# Allegro board 08_038702e.brd (continued)
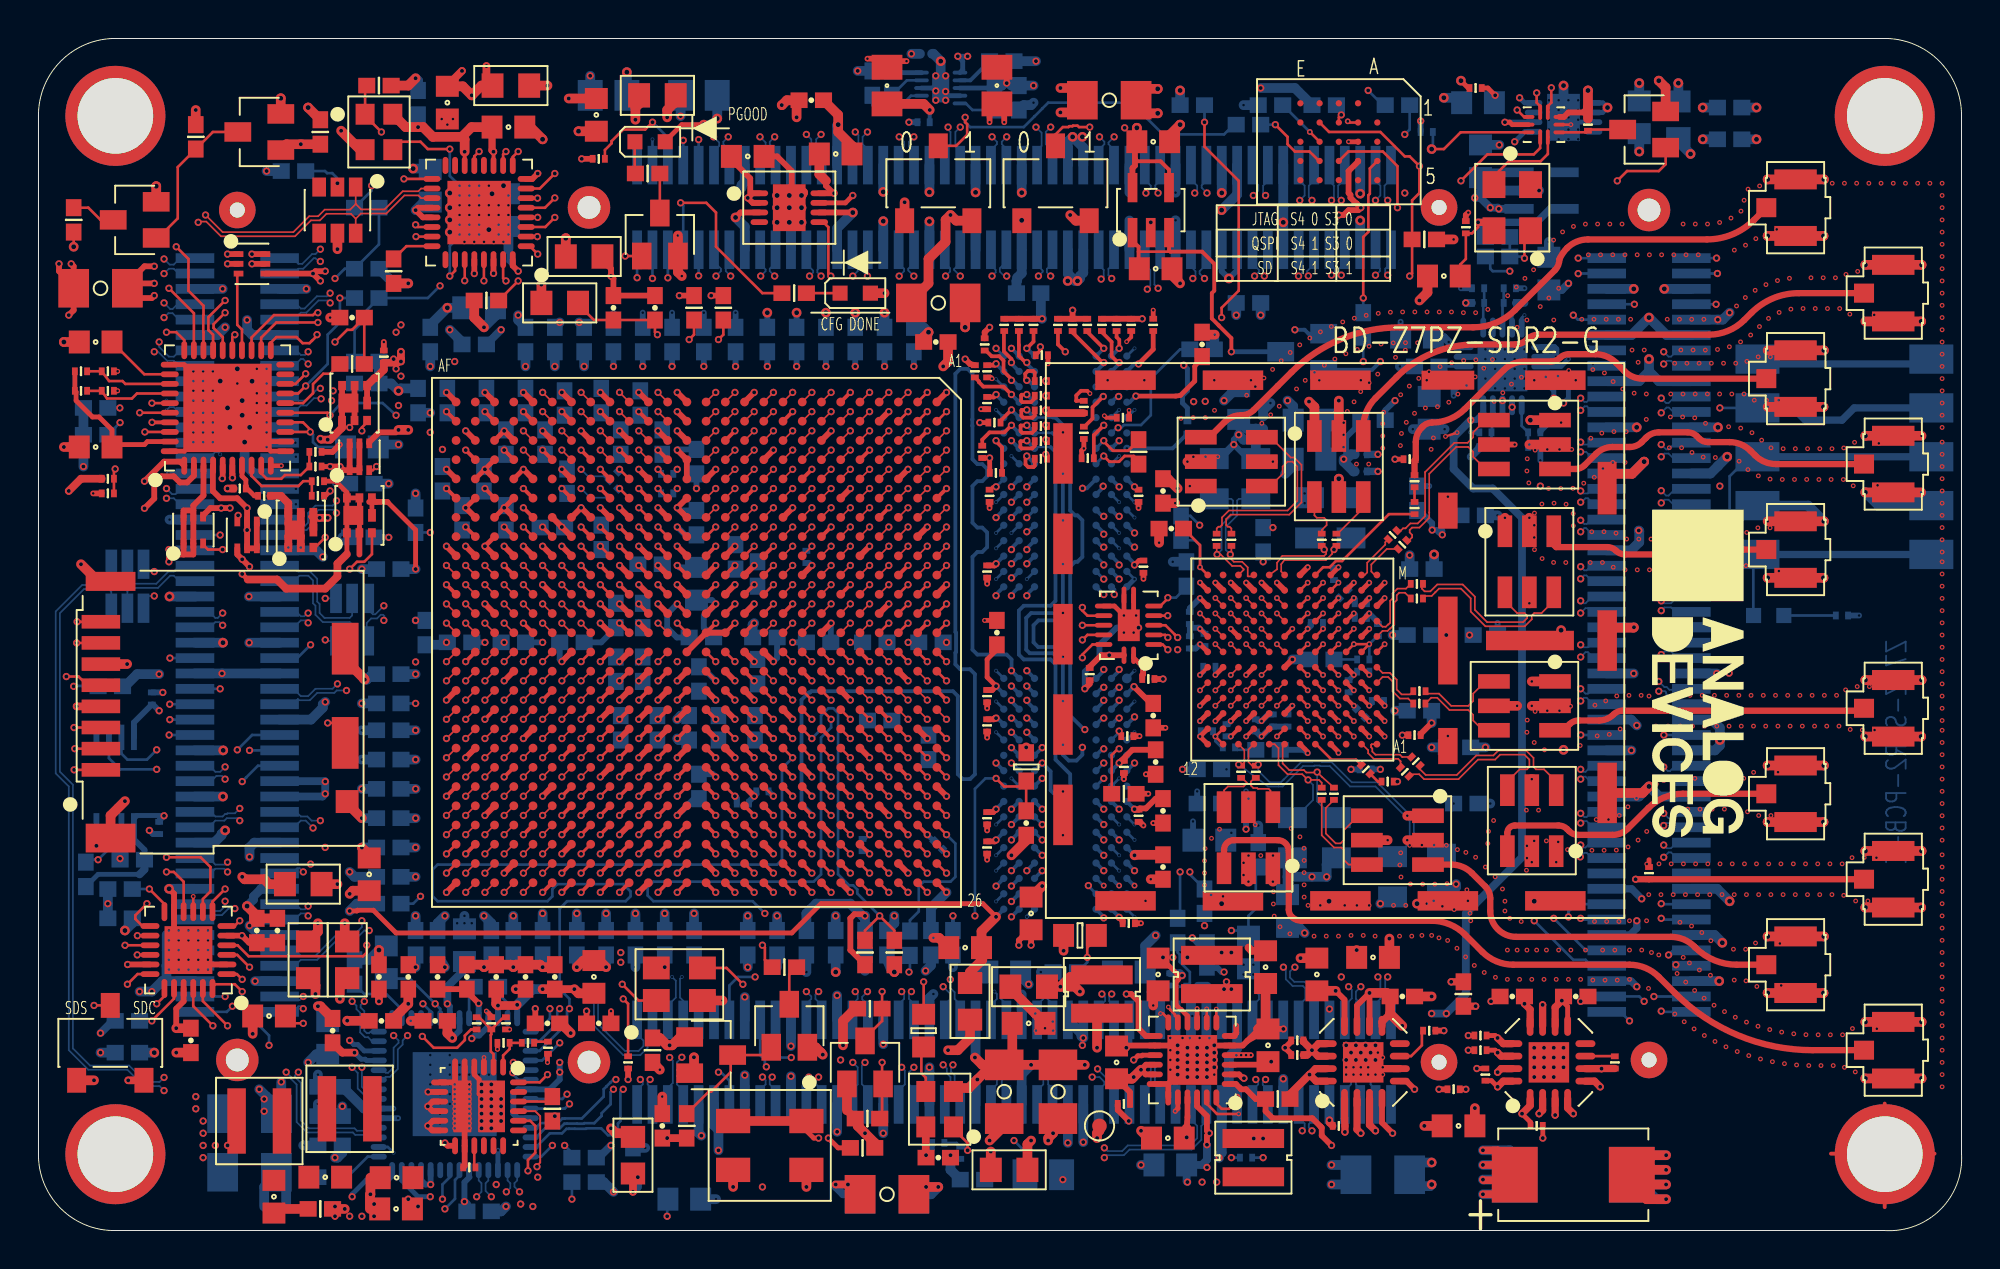
[diagram p0: board, top side]
## Routing (per net, layer and track width the routed paths; a pad name or vN(x,y) marks a point on that pad's centre or on a via; arc(x,y) is an arc through that point) (continued)
PS_MIO41_501_SD0_CMD: length 53.3
  TOP w0.14: v1(17.07,14.84) 17.07,14.46 16.87,14.26 10.93,14.26 10.36,14.84 U11.4 ; U1.C19 v1(45.22,24.59)
  L17_SIG w0.095: v1(17.07,14.84) 17.07,14.46 17.35,14.18 17.6,14.18 17.71,14.08 18.34,14.08 19.23,14.97 19.23,15.98 19.27,16.02 19.27,17.29 21.22,19.25 21.36,19.25 24.56,22.45 24.56,29.44 25.33,30.21 31.49,30.21 31.65,30.04 31.65,28.58 32.3,27.93 32.36,27.93 32.55,27.73 32.55,27.68 32.85,27.38 32.85,27.29 33.11,27.03 40.29,27.03 43.34,23.98 44.63,23.98 45.22,24.57 v1(45.22,24.59)
PS_MIO42_501_SD0_DATA0: length 48.7
  TOP w0.14: U11.6 10.19,15.84 v1(10.47,16.11) ; U1.F17 v1(42.22,26.59)
  L17_SIG w0.095: v1(42.22,26.59) 42.22,26.78 41.56,27.44 41.56,27.73 41.36,27.93 41.07,27.93 40.56,28.45 40.56,28.73 40.36,28.93 34.48,28.93 34.17,29.23 34.17,29.71 33.97,29.91 33.49,29.91 32.16,31.25 32.07,31.25 31.88,31.45 31.88,31.53 31.42,31.99 24.06,31.99 23.56,31.49 23.56,31.45 23.36,31.25 23.32,31.25 22.88,30.81 22.88,23.45 22.36,22.93 22.07,22.93 21.88,22.73 21.88,22.45 21.36,21.93 21.07,21.93 19.27,20.12 19.27,19.83 16.44,17 15.8,17 15.29,16.49 15.29,15.73 15.04,15.48 12.5,15.48 11.61,16.36 10.72,16.36 v1(10.47,16.11)
PS_MIO43_501_SD0_DATA1: length 51.2
  TOP w0.14: U1.D18 v1(44.22,25.59) ; U11.7 9.05,17.11 v1(9.7,17.76)
  L17_SIG w0.095: v1(9.7,17.76) 14.4,17.76 15.8,19.16 17.83,19.16 20.5,21.83 20.5,29.57 21.18,30.25 21.36,30.25 23.56,32.45 23.56,32.63 24.06,33.13 31.09,33.13 31.29,32.93 31.36,32.93 32.55,31.73 32.55,31.67 35.07,29.15 40.45,29.15 40.78,28.82 40.78,28.54 41.17,28.15 41.45,28.15 41.78,27.82 41.78,27.53 42.56,26.75 42.56,26.69 43,26.25 43.56,26.25 v1(44.22,25.59)
PS_MIO44_501_SD0_DATA2: length 50
  TOP w0.14: v1(10.59,13.06) 10.32,13.34 U11.1 ; U1.E18 v1(43.22,25.59)
  L17_SIG w0.095: v1(10.59,13.06) 10.89,13.36 12.29,13.36 13.77,14.84 15.93,14.84 16.31,15.22 17.58,15.22 18.98,16.62 18.98,17.89 19.27,18.18 19.27,18.54 19.47,18.74 19.82,18.74 20.12,19.03 20.37,19.03 20.88,19.53 20.88,19.73 23.07,21.93 23.27,21.93 23.88,22.53 23.88,29.73 25.12,30.97 31.04,30.97 31.88,30.13 31.88,29.45 32.55,28.77 32.55,28.57 33.19,27.93 40.36,27.93 40.56,27.73 40.56,27.45 41.07,26.93 41.36,26.93 41.56,26.73 41.56,26.45 42.07,25.93 42.36,25.93 42.7,25.59 v1(43.22,25.59)
PS_MIO45_501_SD0_DATA3: length 52.2
  TOP w0.14: U11.3 10.34,14.34 v1(10.97,13.7) ; U1.C18 v1(45.22,25.59)
  L17_SIG w0.095: v1(10.97,13.7) 12.31,13.7 13.68,15.06 15.67,15.06 16.44,15.82 16.44,16.36 18.47,18.4 18.59,18.4 20.12,19.92 20.5,19.92 20.88,20.3 20.88,20.73 21.07,20.93 21.36,20.93 21.88,21.45 21.88,21.73 22.07,21.93 22.36,21.93 22.88,22.45 22.88,22.73 23.07,22.93 23.36,22.93 23.56,23.13 23.56,29.73 23.55,29.74 23.55,30.33 23.88,30.66 23.88,30.73 24.34,31.19 31.29,31.19 32.88,29.61 32.88,29.45 34.17,28.15 40.45,28.15 40.78,27.82 40.78,27.54 41.17,27.15 41.46,27.15 41.88,26.74 41.88,26.45 42.07,26.25 42.37,26.25 42.6,26.02 43.36,26.02 43.61,25.76 43.61,25.51 44.12,25 44.63,25 45.22,25.59 v1(45.22,25.59)
PS_MIO46_501_JX4: length 50.9
  TOP w0.14: U1.E17 v1(43.22,26.59)
  L17_SIG w0.095: v1(43.22,26.59) 43.22,26.63 43.61,27.03 47.68,27.03 50,24.71 57.84,24.71 58.38,25.25 71.68,25.25 74.09,22.84 74.09,18.02 74.47,17.63 75.11,17.63 75.49,18.02 75.49,19.03 75.87,19.41 76.76,19.41 77.14,19.03 77.14,17 77.52,16.62 78.41,16.62 v1(78.79,16.24)
  BOTTOM w0.14: v1(78.79,16.24) 80.46,14.57 JX4.92
PS_MIO47_501_JX4: length 49.1
  TOP w0.14: U1.B19 v1(46.22,24.59)
  L17_SIG w0.095: v1(46.22,24.59) 46.69,24.11 49.2,24.11 49.46,23.86 58.47,23.86 59.11,24.49 59.87,24.49 60.12,24.24 60.89,24.24 61.39,24.75 65.58,24.75 65.84,24.49 71.93,24.49 73.71,22.71 73.71,19.29 73.2,18.78 73.2,17.13 73.59,16.75 75.49,16.75 75.87,17.13 75.87,18.52 76.13,18.78 76.5,18.78 76.76,18.52 76.76,16.49 77.14,16.11 v1(77.78,16.11)
  BOTTOM w0.14: JX4.94 80.75,13.77 80.44,14.08 79.81,14.08 v1(77.78,16.11)
PS_MIO48_501_JX4: length 47.2
  TOP w0.14: U1.B21 v1(46.22,22.59)
  L6_SIG w0.095: v1(84.38,11.41) 82.98,11.41 81.46,12.94 81.46,16.24 80.32,17.38 79.05,17.38 78.54,17.89 75.87,17.89 73.84,19.92 58.09,19.92 57.33,20.68 55.04,20.68 54.28,21.44 52.34,21.44 52.33,21.45 50.45,21.45 50.44,21.44 49.2,21.44 48.31,22.33 48.06,22.33 47.8,22.08 46.72,22.08 v1(46.22,22.59)
  BOTTOM w0.14: JX4.99 84.42,11.37 v1(84.38,11.41)
PS_MIO49_501_JX4: length 51.3
  TOP w0.14: U1.A18 v1(47.22,25.59)
  L6_SIG w0.095: v1(47.22,25.59) 46.66,25.03 46.66,23.6 47.17,23.1 47.8,23.1 48.19,22.71 48.57,22.71 49.03,22.25 52.33,22.25 52.76,21.83 54.66,21.83 54.92,21.57 57.58,21.57 58.85,20.3 60.25,20.3 60.5,20.56 61.14,20.56 61.39,20.3 68,20.3 68.51,20.81 69.78,20.81 70.28,20.3 74.6,20.3 76.76,18.14 78.98,18.14 79.13,18.29 79.47,18.29 79.62,18.14 82.71,18.14 82.71,18.13 82.91,17.93 83.19,17.93 83.28,18.03 83.48,18.03 83.75,17.76 83.75,13.06 83.49,12.81 v1(83.49,11.92)
  BOTTOM w0.14: v1(83.49,11.92) 83.24,12.17 81.55,12.17 JX4.98
PS_MIO50_501_SD0_CD: length 72.7
  TOP w0.14: U1.B22 v1(46.22,21.59) ; U5.8 78.08,58.47 77.9,58.66 v1(77.9,59.16)
  L15_SIG w0.095: v1(77.9,59.16) 78.67,58.4 78.67,56.12 76.76,54.21 75.87,54.21 73.97,52.31 73.97,51.42 72.57,50.02 72.57,39.73 70.66,37.83 70.66,34.91 73.84,31.73 73.84,25.64 70.41,22.21 v3(70.41,21.19)
  L17_SIG w0.095: v1(46.22,21.59) 46.22,21.63 46.79,22.21 49.07,22.21 49.33,22.46 58.98,22.46 61.39,20.05 65.2,20.05 65.84,20.68 69.9,20.68 v3(70.41,21.19)
PS_MIO51_501_JX4: length 49.1
  TOP w0.14: U1.B20 v1(46.22,23.59)
  L6_SIG w0.095: v1(82.73,10.9) 82.35,10.52 77.9,10.52 74.09,14.33 74.09,15.35 70.92,18.52 70.54,18.52 70.28,18.78 60.76,18.78 60.12,18.14 59.23,18.14 57.46,19.92 48.44,19.92 48.11,20.25 47.07,20.25 46.88,20.45 46.88,20.47 46.28,21.06 45.14,21.06 44.76,21.44 44.76,22.84 45.01,23.1 45.77,23.1 46.22,23.54 v1(46.22,23.59)
  BOTTOM w0.14: JX4.100 82.26,11.37 v1(82.73,10.9)
PS_MIO52_501_ETH0_MDC: length 52.2
  TOP w0.14: U1.A20 v1(47.22,23.59)
  L17_SIG w0.095: v1(25.96,2.78) 26.34,2.78 26.47,2.65 28.25,2.65 29.01,3.41 33.45,3.41 35.1,5.06 40.18,5.06 40.69,5.57 46.03,5.57 v3(46.79,6.33)
  L18_SIG w0.095: v1(21.13,1.12) 22.79,2.78 25.3,2.78 25.31,2.77 25.59,2.77 25.6,2.78 v1(25.96,2.78) ; v1(47.22,23.59) 47.82,23.59 49.45,21.95 49.45,21.77 50.57,20.65 50.73,20.65 50.98,20.41 50.98,15.73 50.47,15.22 50.47,13.95 50.73,13.7 50.73,11.03 49.33,9.63 49.33,8.87 v3(46.79,6.33)
  BOTTOM w0.14: U10.7 21.89,2.86 21.66,2.63 21.66,1.65 v1(21.13,1.12)
PS_MIO53_501_ETH0_MDIO: length 51.7
  TOP w0.14: U1.A19 v1(47.22,24.59)
  L17_SIG w0.095: v3(45.65,6.33) 45.14,5.82 40.44,5.82 40.18,5.57 32.95,5.57 31.8,4.43 31.17,4.43 30.53,3.79 28.63,3.79 27.99,4.43 v1(27.36,4.43)
  L18_SIG w0.095: v1(47.22,24.59) 46.79,24.16 46.79,23.35 47.04,23.1 47.3,23.1 49.2,21.19 49.2,17.76 49.33,17.63 49.33,13.95 48.95,13.57 48.95,11.54 48.06,10.65 48.06,8.36 47.3,7.6 46.92,7.6 v3(45.65,6.33) ; v1(21.01,1.63) 23.42,4.05 26.98,4.05 v1(27.36,4.43)
  BOTTOM w0.14: v1(27.36,4.43) 27.74,4.05 R11.2 ; v1(21.01,1.63) 21.01,2.39 21.39,2.78 U10.8
PWR_ENABLE: length 135.2
  TOP w0.14: v2(58.35,11.28) 58.47,11.28 58.75,11.01 U4.12 ; R56.2 29.45,56.19 29.8,56.54 29.8,56.66 30.41,57.26 31.55,57.26 v1(31.93,57.64) ; U18.20 25.57,5.71 25.83,5.44 25.83,4.05 25.45,3.66 v1(25.45,3.11)
  L2_GND w0.203: v2(58.35,11.28) v3(57.96,11.28)
  L3_SIG w0.095: v1(59.23,30.21) 59.23,29.19 59.36,29.06 59.36,25.25 59,24.89 59,23.46 60.12,22.33 60.12,19.29 60.38,19.03 60.38,18.4 59.28,17.29 59.28,15.18 60.12,14.33 60.12,13.28 59.74,12.9 59.74,12.05 59.38,11.69 59.38,11.69 59.11,11.41 58.6,11.41 58.41,11.6 58.28,11.6 v3(57.96,11.28)
  L7_SIG w0.095: v3(57.96,11.28) 57.08,11.28 56.06,10.27 56.06,3.03 53.9,0.87 35.36,0.87 34.09,2.14 34.09,4.43 33.07,5.44 31.29,5.44 30.66,4.81 29.64,4.81 27.27,2.44 25.79,2.44 25.45,2.78 v1(25.45,3.11)
  L17_SIG w0.095: v3(49.07,30.84) 53.93,30.84 54.14,31.06 54.42,31.06 54.63,30.84 57.46,30.84 58.43,29.87 58.87,29.87 59.21,30.21 v1(59.23,30.21)
  L18_SIG w0.095: v1(31.93,57.64) 31.93,58.53 32.69,59.29 39.04,59.29 41.33,57 41.33,55.1 40.69,54.46 40.69,53.7 41.84,52.56 41.84,47.35 41.33,46.84 41.33,44.3 41.71,43.92 41.71,35.41 42.09,35.03 43.36,35.03 43.61,34.78 43.61,31.48 43.99,31.1 48.82,31.1 v3(49.07,30.84)
  BOTTOM w0.14: JX1.5 32.73,56.84 v1(31.93,57.64)
PWR_GD: length 172
  TOP w0.203: U7.37 v1(5.91,42.03)
  TOP w0.254: v1(42.34,53.83) 41.96,53.44 U9.7
  TOP w0.305: R306.1 v1(72.82,7.35) ; U19.5 71.13,7.77 v1(71.55,7.35)
  TOP w0.381: U20.5 80.91,7.77 v1(81.21,7.47)
  L9_POWER w0.508: v1(81.21,7.47) 80.82,7.09 76.89,7.09 75.02,5.23 74.31,5.23 72.82,6.71 v1(72.82,7.35) v1(71.55,7.35)
  L17_SIG w0.508: 42.34,54.72 41.58,55.48 37.26,55.48 36.5,56.24 36.5,57.89 35.36,59.04 29.26,59.04 28.37,58.15 26.34,58.15 25.78,57.58 22.59,57.58 21.64,58.53 15.29,58.53 14.4,57.64 11.61,57.64 5.39,51.42 5.39,45.19 6.53,44.05 6.53,42.65 v1(5.91,42.03) ; 42.34,54.72 v1(42.34,53.83) ; 42.34,54.72 43.11,55.48 70.66,55.48 71.43,54.72 73.08,54.72 73.59,55.23 77.9,55.23 78.03,55.35 84.25,55.35 88.57,51.04 88.57,45.07 89.84,43.8 89.84,35.67 88.57,34.4 88.57,9.25 86.16,6.84 81.84,6.84 v1(81.21,7.47)
PWR_GD_1.35V: length 86.5
  TOP w0.102: U18.21 25.83,6.21 26.09,5.95 26.09,3.54 25.92,3.37 v1(25.92,3.32)
  TOP w0.203: U1.C23 v1(45.22,20.59)
  TOP w0.254: v1(41.07,4.81) 41.58,4.3 R3.2 ; SW1.1A 39.93,5.19 40.31,4.81 v1(40.57,4.81)
  TOP w0.305: v2(62.28,10.65) 62.28,10.27 62.14,10.12 U4.6 ; U4.2 62.42,8.12 62.59,7.96 62.65,7.96 v1(62.68,7.92)
  TOP w0.508: SW1.1B SW1.1A
  L2_GND w0.305: v2(62.28,10.65) v3(62.79,10.65)
  L3_SIG w0.254: v1(40.57,4.81) v1(41.07,4.81) 41.07,4.17 41.25,3.99 43.81,3.99 44.92,5.1 49.67,5.1 50.63,4.14 53.68,4.14 54.66,3.16 55.93,3.16 59.36,6.59 60.5,6.59 61.84,7.92 v1(62.68,7.92) 62.68,10.54 v3(62.79,10.65) 62.54,10.9 62.54,12.81 61.9,13.44 v1(61.65,13.44)
  L11_POWER w0.254: v1(45.22,20.59) 45.69,21.06 47.93,21.06 49.46,22.59 52.63,22.59 53.39,21.83 53.39,16.87 55.55,14.71 60.38,14.71 v1(61.65,13.44)
  L14_SIG w0.254: v1(41.07,4.81) v1(40.57,4.81) 35.23,4.81 34.34,3.92 31.42,3.92 30.41,2.9 26.72,2.9 26.3,3.32 v1(25.92,3.32)
  BOTTOM w0.305: v1(61.65,13.44) 61.52,13.44 61.31,13.65 61.06,13.65 61.01,13.7 R29.2
REF_IN_OUT: length 5.3
  TOP w0.14: U7.14 13.76,42.03 14.13,41.66 v1(14.13,41.53) U7.13
  BOTTOM w0.14: v1(14.13,41.53) 14.28,41.38 14.28,41 14.53,40.75 C202.1
RX1A_N: length 2.5
  TOP w0.089: U17.M2 68.96,34.09 69.09,34.22 69.09,34.73 70.03,35.67 70.03,35.8 C8.2
RX1A_P: length 2.5
  TOP w0.089: C9.2 70.11,35.44 69.31,34.64 69.31,34.27 69.48,34.09 U17.M1
RX1B_N: length 3.6
  TOP w0.089: C51.2 71.11,33.38 70.66,33.38 70.41,33.13 70.41,32.87 70.28,32.75 70.28,31.6 70.2,31.52 70.18,31.52 70.06,31.4 69.89,31.4 U17.J1
RX1B_P: length 3.6
  TOP w0.089: U17.H1 69.89,31.19 70.15,31.19 70.27,31.31 70.29,31.31 70.5,31.51 70.5,32.66 70.63,32.78 70.63,33.04 70.75,33.17 71.06,33.17 C52.2
RX2A_N: length 2.9
  TOP w0.089: C10.2 70.93,24.63 70.92,24.62 70.79,24.75 69.52,24.75 69.36,24.91 69.36,25.07 69.29,25.13 69.29,25.26 69.33,25.29 U17.A1
RX2A_P: length 2.8
  TOP w0.089: U17.A2 68.83,25.29 69.14,24.98 69.14,24.82 69.43,24.53 70.7,24.53 70.83,24.4 70.82,24.4 C11.2
RX2B_N: length 2.8
  TOP w0.089: C53.2 71.32,27.88 70.88,27.88 70.63,28.14 70.63,28.65 70.27,29 69.89,29 U17.F1
RX2B_P: length 2.9
  TOP w0.089: U17.E1 69.89,28.79 70.18,28.79 70.41,28.56 70.41,28.05 70.79,27.67 71.22,27.67 C56.2
S_IN_N: length 57.1
  L17_SIG w0.089: v1(6.53,7.28) 6.74,7.49 9.18,7.49 11.61,5.06 18.85,5.06 19.61,4.3 19.61,3.66 20.25,3.03 21.13,3.03 22.28,4.17 23.8,4.17 24.06,3.92 24.06,3.41 24.44,3.03 24.44,2.39 24.33,2.29 v1(24.33,2.01)
  BOTTOM w0.089: v1(6.53,7.28) 6.29,7.51 5.48,7.51 4.62,8.36 2.59,8.36 1.58,9.38 1.58,23.1 0.9,23.77 0.9,32.2 2.27,33.57 3.54,33.57 3.79,33.81 JP2.3 ; U10.2 24.39,2.6 24.53,2.46 24.53,2.22 v1(24.33,2.01)
S_IN_P: length 57.1
  L17_SIG w0.089: v1(6.53,7.96) 6.74,7.75 9.28,7.75 11.71,5.32 18.95,5.32 19.86,4.4 19.86,3.77 20.35,3.28 21.03,3.28 22.17,4.43 23.91,4.43 24.31,4.02 24.31,3.52 24.69,3.13 24.69,2.97 24.82,2.84 24.82,2.65 24.69,2.52 24.69,2.14 24.82,2.01 v1(25.01,2.01)
  BOTTOM w0.089: v1(6.53,7.96) 6.29,7.73 5.56,7.73 4.71,8.58 2.68,8.58 1.79,9.47 1.79,23.19 1.11,23.86 1.11,32.11 2.36,33.36 3.65,33.36 3.79,33.22 JP1.3 ; v1(25.01,2.01) 24.75,2.28 24.75,2.46 24.89,2.6 U10.1
S_OUT_N: length 56.4
  L7_SIG w0.089: v1(17.96,32.49) 17.96,32.37 17.71,32.11 16.94,32.11 15.42,33.64 9.32,33.64 7.42,31.73 7.42,29.06 9.2,27.29 11.86,27.29 13.96,25.19 13.96,21.45 13.69,21.18 13.69,20.69 14.15,20.23 14.15,19.67 14.53,19.29 14.53,18.78 13.54,17.79 13.54,17.22 13.43,17.12 13.43,16.12 13.54,16.01 13.54,13.93 15.04,12.43 15.04,11.03 15.8,10.27 16.69,10.27 17.71,9.25 17.71,6.33 19.61,4.43 19.61,3.66 20.84,2.44 22.89,2.44 23.04,2.29 23.04,2.01 v1(22.79,1.76)
  BOTTOM w0.089: v1(17.96,32.49) 17.51,32.05 17.39,32.05 17.15,32.29 JP4.3 ; v1(22.79,1.76) 23.03,2.01 23.03,2.46 22.89,2.6 U10.5
S_OUT_P: length 56.4
  L7_SIG w0.089: v1(17.96,31.73) 17.83,31.86 16.84,31.86 15.31,33.38 9.43,33.38 7.67,31.63 7.67,29.17 9.3,27.54 11.97,27.54 14.21,25.3 14.21,21.35 13.94,21.08 13.94,20.8 14.4,20.33 14.4,19.77 14.78,19.39 14.78,18.67 13.79,17.68 13.79,17.12 13.69,17.01 13.69,16.23 13.79,16.12 13.79,14.03 15.29,12.53 15.29,11.14 15.91,10.52 16.79,10.52 17.96,9.36 17.96,6.44 19.86,4.53 19.86,3.77 20.94,2.69 22.99,2.69 23.29,2.39 23.29,2.01 v1(23.55,1.76)
  BOTTOM w0.089: U10.4 23.39,2.6 23.25,2.46 23.25,2.06 v1(23.55,1.76) ; v1(17.96,31.73) 17.98,31.76 17.98,31.96 17.92,32.02 17.79,32.02 17.6,31.83 17.3,31.83 17.07,31.6 17.07,30.79 JP3.3
SCL: length 69.5
  TOP w0.14: U1.AF24 v1(21.22,19.59)
  L14_SIG w0.095: v1(37.85,8.52) 37.7,8.36 37.52,8.36 36.88,7.73 36.88,7.6 35.96,6.68 29.36,6.68 28.75,6.08 27.36,6.08 27.1,6.33 26.34,6.33 24.69,4.68 22.02,4.68 21.32,5.38 20.82,5.38 20.37,5.82 19.86,5.82 19.48,5.44 18.72,5.44 17.71,6.46 17.71,10.9 17.03,11.58 15.63,11.58 15.29,11.92 15.29,14.08 16.44,15.22 17.58,15.22 17.83,15.48 17.83,15.98 17.32,16.49 17.32,17.38 17.71,17.76 20.5,17.76 20.75,18.02 21.39,18.02 21.64,18.27 21.64,18.78 21.22,19.2 v1(21.22,19.59) 20.17,19.59 19.86,19.29 18.21,19.29 16.94,20.56 14.15,20.56 12.75,21.95 11.1,21.95 9.96,23.1 7.49,23.1 4.31,19.92 4.31,19.41 v1(4.24,19.34)
  BOTTOM w0.14: U21.2 4.31,19.41 v1(4.24,19.34) R58.2 ; JX2.17 37.53,9.12 37.77,8.87 37.77,8.59 v1(37.85,8.52)
SCL_ADM1166: length 182.3
  TOP w0.14: U7.35 v1(5.9,43.03)
  L4_SIG w0.095: v1(4.23,42.78) 4.75,42.78 5.01,43.03 5.89,43.03 v1(5.9,43.03) 6.53,42.4 6.53,41.51 4.88,39.86 4.88,32.49 5.77,31.6 5.77,25.38 v1(6.15,25)
  L14_SIG w0.095: v3(37.39,12.55) 37.39,12.17 36.88,11.67 32.06,11.67 30.53,13.19 25.96,13.19 24.82,14.33 24.82,15.15 23.88,16.1 23.88,18.96 23.58,19.25 23.07,19.25 22.88,19.45 22.79,19.54 22.79,20.68 22.22,21.25 22.07,21.25 21.37,21.95 18.72,21.95 16.18,24.49 12.63,24.49 11.61,25.51 7.29,25.51 6.78,25 v1(6.15,25)
  L17_SIG w0.095: v3(37.39,12.55) 39.42,10.52 48.19,10.52 49.58,9.13 50.34,9.13 52.12,7.35 63.93,7.35 65.2,6.08 72.44,6.08 72.82,5.7 75.49,5.7 76.38,6.59 78.54,6.59 82.09,10.14 85.02,10.14 86.29,11.41 86.29,33.26 88.32,35.29 88.32,41.89 v1(87.43,42.78) 85.9,41.26 85.9,40.37 85.02,39.48 83.24,39.48 80.95,41.76 80.95,43.29 77.78,46.46 v3(77.78,47.61)
  L19_GND w0.203: v4(77.27,47.61) v3(77.78,47.61)
  BOTTOM w0.14: v4(77.27,47.61) 77.13,47.46 U24.15 ; R51.2 v1(4.23,42.78) ; U21.7 4.31,24.8 4.62,24.49 5.64,24.49 v1(6.15,25) ; P1.A4 v1(87.43,42.78)
  BOTTOM w0.381: P1.B4 94.41,42.78 93.78,42.15 91.87,42.15 91.24,42.78 P1.A4
SD_SEL: length 147.5
  TOP w0.14: U11.24 9.05,12.66 9.2,12.81 10.21,12.81 v1(10.59,12.43) ; U5.5 v2(79.68,57.51) ; S1.2 v1(2.89,11.71)
  L2_GND w0.305: v2(79.68,57.51) v3(79.17,57.51)
  L14_SIG w0.095: v3(79.17,57.51) 79.81,58.15 79.81,60.43 79.05,61.2 51.11,61.2 50.73,60.81 48.69,60.81 48.31,60.43 47.1,60.43 47.08,60.41 46.75,60.41 46.73,60.43 44.38,60.43 43.93,60.88 33.39,60.88 31.93,59.42 28.12,59.42 27.61,59.93 22.28,59.93 20.75,58.4 20.75,54.97 19.1,53.32 15.67,53.32 12.75,50.4 12.75,46.84 11.61,45.7 9.2,45.7 7.67,44.18 4.62,44.18 2.85,42.4 2.85,41.64 0.56,39.35 0.56,16.24 3.61,13.19 9.83,13.19 v1(10.59,12.43)
  L17_SIG w0.095: v1(2.89,11.71) 5.47,11.71 5.77,11.41 8.05,11.41 9.32,12.68 10.34,12.68 v1(10.59,12.43)
  BOTTOM w0.14: v1(11.99,9.63) 11.99,10.14 10.59,11.54 v1(10.59,12.43)
SDA: length 69
  TOP w0.14: U1.AF25 v1(21.22,18.59)
  L14_SIG w0.095: v1(3.1,19.29) 3.48,19.29 3.86,18.9 4.37,18.9 5.77,20.3 13.64,20.3 14.4,19.54 16.56,19.54 17.11,18.99 19.91,18.99 20.31,18.59 v1(21.22,18.59) 21.22,18.32 21.13,18.24 20.59,18.24 20.37,18.02 17.45,18.02 17.07,17.63 17.07,16.87 16.44,16.24 16.44,15.6 15.04,14.21 15.04,11.79 15.47,11.36 16.74,11.36 17.32,10.78 17.32,6.33 18.47,5.19 19.95,5.19 20.2,4.93 21.39,4.93 21.9,4.43 24.82,4.43 25.96,5.57 27.36,5.57 27.61,5.82 29.26,5.82 29.9,6.46 36.12,6.46 37.01,7.35 38.15,7.35 38.79,7.98 38.79,8.62 39.14,8.97 v1(39.14,9)
  BOTTOM w0.14: v1(39.14,9) 38.58,9 38.33,9.25 JX2.19 ; U21.3 3.66,19.85 v1(3.1,19.29) 2.59,19.29 R57.2
SDA_ADM1166: length 179.8
  TOP w0.14: U7.36 v1(5.26,42.53)
  L4_SIG w0.095: v1(6.15,23.98) 5.39,24.75 5.39,31.22 4.5,32.11 4.5,40.62 4.24,40.88 v1(4.24,42.02) 4.75,42.02 v1(5.26,42.53)
  L14_SIG w0.095: v1(6.15,23.98) 6.66,24.49 11.1,24.49 11.74,23.86 15.17,23.86 16.56,22.46 16.94,22.46 18.34,21.06 21.39,21.06 21.77,20.68 21.77,19.41 22.15,19.03 22.98,19.03 22.98,19.03 23.29,19.03 23.55,18.77 23.55,17.45 23.55,17.44 23.55,16.11 23.93,15.73 23.93,13.95 25.96,11.92 29.9,11.92 30.53,11.28 37.01,11.28 38.15,12.43 v3(38.15,12.81)
  L17_SIG w0.095: v3(38.15,12.81) 39.93,11.03 48.4,11.03 49.92,9.51 50.85,9.51 51.23,9.13 55.42,9.13 56.29,9.99 63.45,9.99 64.95,8.49 66.47,8.49 68.38,6.59 72.19,6.59 72.57,6.97 78.54,6.97 81.97,10.4 84.63,10.4 85.9,11.67 85.9,35.41 v1(87.68,37.19) 85.9,38.97 82.73,38.97 80.32,41.38 79.43,41.38 76.13,44.69 v3(76.13,47.86)
  L19_GND w0.203: v4(76.63,47.6) 76.39,47.6 v3(76.13,47.86)
  BOTTOM w0.14: U24.14 v4(76.63,47.6) ; v1(6.15,23.98) 4.24,23.98 3.66,24.56 U21.6 ; v1(87.68,37.19) 87.94,37.45 87.94,39.22 88.95,40.24 P1.A3 ; R52.2 v1(4.24,42.02)
  BOTTOM w0.381: P1.A3 P1.B3
SDIO_CLKB0: length 26.1
  TOP w0.14: v1(6.15,11.79) 6.55,12.19 U11.19 ; J3.5 2.54,28.36 2.08,28.81 v1(1.45,28.81)
  L3_SIG w0.095: v1(1.45,28.81) 1.96,28.81 2.37,28.4 2.37,28.34 4.12,26.59 4.12,20.81 4.75,20.17 4.75,18.9 4.12,18.27 4.12,16.87 3.61,16.36 2.72,16.36 2.08,15.73 2.08,15.35 1.7,14.97 1.7,14.71 4.62,11.79 v1(6.15,11.79)
SDIO_CLKB1: length 17
  TOP w0.14: U11.13 5.41,15.84 5.04,16.2 5.04,16.4 v1(5.64,17)
  L3_SIG w0.095: v1(5.64,17) 7.29,17 7.93,17.63 7.93,26.65 v1(9.45,28.17)
  BOTTOM w0.14: JX3.43 v1(9.45,28.17)
SDIO_CMDB0: length 22.2
  TOP w0.14: U11.20 7.05,12.06 v1(5.89,10.9) ; J3.3 v1(1.85,26.16)
  L3_SIG w0.095: v1(1.85,26.16) 1.45,25.76 1.45,18.9 1.07,18.52 1.07,14.97 5.13,10.9 v1(5.89,10.9)
  BOTTOM w0.14: v1(5.89,10.9) R109.2
SDIO_CMDB1: length 13.7
  TOP w0.14: U11.12 6.55,16.98 v1(5.77,17.76)
  L15_SIG w0.095: v1(5.77,17.76) 6.28,18.27 8.18,18.27 10.97,21.06 10.97,22.08 10.59,22.46 v1(10.59,23.35)
  BOTTOM w0.14: v1(10.59,23.35) 10.8,23.56 10.8,23.56 11.41,24.17 JX3.34 ; v1(5.77,17.76) 4.88,17.76
SDIO_DAT0B0: length 22.4
  TOP w0.14: U11.18 5.15,13.34 v1(4.62,12.81) ; J3.7 v1(1.99,30.56)
  L15_SIG w0.095: v1(1.99,30.56) 1.93,30.56 0.94,29.57 0.94,22.84 2.34,21.44 2.34,19.03 3.03,18.34 3.03,16.94 3.99,15.98 3.99,13.44 v1(4.62,12.81)
SDIO_DAT0B1: length 14.5
  TOP w0.14: U11.14 v1(5.14,15.34)
  L3_SIG w0.095: v1(5.14,15.34) 5.14,17.65 5.77,18.27 7.04,18.27 7.55,18.78 7.55,25.02 v1(6.79,25.77)
  BOTTOM w0.14: JX3.37 v1(6.79,25.77)
SDIO_DAT1B0: length 21.8
  TOP w0.14: J3.8 v1(2.01,31.66) ; U11.16 v1(5.14,14.34)
  L3_SIG w0.095: v1(2.01,31.66) 2.03,31.66 2.59,31.1 2.59,28.43 4.37,26.65 4.37,23.35 5.01,22.71 5.01,18.78 4.62,18.4 4.62,16.62 3.99,15.98 3.99,14.71 4.37,14.33 5.13,14.33 v1(5.14,14.34)
SDIO_DAT1B1: length 19.2
  TOP w0.14: U11.15 v1(4.5,14.84)
  L3_SIG w0.095: v1(10.97,24.97) 10.97,25.13 10.47,25.64 9.45,25.64 8.94,25.13 8.94,16.62 7.16,14.84 v1(4.5,14.84)
  BOTTOM w0.14: JX3.36 v1(10.97,24.97)
SDIO_DAT2B0: length 20.5
  TOP w0.14: J3.1 v1(1.86,23.96) ; v1(9.83,10.65) 8.55,11.93 U11.23
  L15_SIG w0.095: v1(9.83,10.65) 9.32,11.16 9.32,12.43 5.75,16 5.74,16 4.88,16.86 4.88,20.43 1.86,23.45 v1(1.86,23.96)
SDIO_DAT2B1: length 14.2
  TOP w0.14: v1(6.66,19.41) 8.43,19.41 8.94,18.9 8.94,17.63 8.55,17.24 U11.8
  L3_SIG w0.095: v1(6.66,19.41) 6.66,19.98 6.68,20.01 6.68,20.66 5.81,21.53 5.81,25.55 v1(6.83,26.57)
  BOTTOM w0.14: JX3.39 v1(6.83,26.57)
SDIO_DAT3B0: length 21.5
  TOP w0.14: v1(9.07,10.65) 8.05,11.67 U11.22 ; J3.2 v1(1.89,25.06)
  L15_SIG w0.095: v1(1.89,25.06) 1.45,24.62 1.45,22.97 3.86,20.56 3.86,17.51 9.07,12.3 v1(9.07,10.65)
SDIO_DAT3B1: length 13.1
  TOP w0.14: U11.10 7.55,18.14 7.04,18.65 v1(6.66,18.65)
  L15_SIG w0.095: v1(10.34,25) 10.09,24.75 10.09,22.33 7.55,19.79 7.55,19.54 v1(6.66,18.65)
  BOTTOM w0.14: v1(10.34,25) 11.11,25.77 JX3.38
SW1: length 5.3
  TOP w0.254: v1(56.95,8.87) 57.16,9.09 57.38,9.09 57.41,9.12 U4.15
  TOP w0.508: L5.1 55.04,11.05 v1(55.04,9.51)
  L3_SIG w0.508: v1(55.04,9.51) 55.42,9.51 56.06,8.87 v1(56.95,8.87)
SW2: length 2.2
  TOP w0.305: U4.4 v2(62.28,9.12) 63.04,9.12
  TOP w0.406: L6.1 61.67,12.32 61.9,12.55 v1(62.03,12.55)
  vias: v1(61.65,12.55) v1(61.77,12.94) v2(62.54,9.13) v2(62.79,9.13) v2(63.04,9.13)
SW3: length 5.9
  TOP w0.254: v2(59.11,6.2) 59.25,6.34 U4.20
  L2_GND w0.381: v2(59.11,6.2) v3(59.49,5.82)
  L3_SIG w0.508: v3(59.49,5.82) 61.01,5.82 62.05,4.79 v1(63.19,4.79) v1(63.68,4.79)
TX1A_N: length 5.1
  TOP w0.089: U17.M8 64.4,34.39 64.4,34.73 64.61,35 64.68,35.08 66.85,35.08 66.96,35.19 66.96,35.31 v1(66.85,35.41) 66.73,35.54 C25.1
  BOTTOM w0.089: L8.2 66.25,36.02 v1(66.85,35.41)
TX1A_P: length 5.2
  TOP w0.089: C26.1 67.49,35.54 v1(67.36,35.41) 67.27,35.32 67.27,35.19 66.94,34.87 64.78,34.87 64.62,34.65 64.62,34.27 U17.M7
  BOTTOM w0.089: v1(67.36,35.41) 67.97,36.02 L9.2
TX1B_N: length 6.7
  TOP w0.089: C29.1 61.27,35.18 v1(61.29,35.16) 61.47,35.16 62.07,34.56 62.5,34.56 62.66,34.4 62.66,34.36 U17.M10
  BOTTOM w0.089: v1(61.29,35.16) 61.52,35.4 61.52,36.68 62.11,37.28 62.11,37.96 62.02,38.05 L1.2
TX1B_P: length 6.7
  TOP w0.089: C30.1 62.03,35.22 v1(61.97,35.16) 61.97,34.96 62.16,34.78 62.59,34.78 62.88,34.49 62.88,34.04 62.9,34.02 63.12,34.02 U17.M9
  BOTTOM w0.089: L2.2 62.42,38.05 62.33,37.96 62.33,37.19 61.74,36.59 61.74,35.4 v1(61.97,35.16)
TX2A_N: length 7.1
  TOP w0.089: U17.A7 64.7,25.19 64.7,24.29 65.04,23.95 65.8,23.95 65.93,23.82 66.46,23.82 v1(66.49,23.84) 66.73,23.6 C32.1
  BOTTOM w0.089: v1(66.49,23.84) 66.49,22.32 67.33,21.47 L10.2
TX2A_P: length 6.9
  TOP w0.089: U17.A8 64.28,25.29 64.48,25.09 64.48,24.2 64.95,23.73 65.71,23.73 66.01,23.43 v1(66.02,23.43) 66.58,23.43 66.73,23.29 C33.1
  BOTTOM w0.089: L11.2 65.36,21.47 66.27,22.39 66.27,23.18 v1(66.02,23.43)
TX2B_N: length 14.7
  TOP w0.089: v1(63.42,24.24) 63.36,24.17 C34.1 63.11,24.17 62.92,24.37 62.92,25.01 U17.A9
  BOTTOM w0.089: v1(63.42,24.24) 63.42,23.91 64.02,23.31 64.61,23.31 64.73,23.44 65.67,24.37 66.24,24.37 66.26,24.39 66.72,24.39 66.75,24.37 67.24,24.37 68.29,23.31 69.61,23.31 71.52,21.41 71.52,20.62 71.84,20.3 72.06,20.3 72.79,19.57 L3.2
TX2B_P: length 14.7
  TOP w0.089: U17.A10 62.7,24.99 62.7,24.34 C35.1 v1(62.41,24.24)
  BOTTOM w0.089: v1(62.41,24.24) 63.93,23.1 64.48,23.1 64.69,23.1 65.76,24.16 66.33,24.16 66.35,24.18 66.63,24.18 66.66,24.15 67.15,24.15 68.2,23.1 69.52,23.1 71.3,21.32 71.3,20.17 70.57,19.44 L4.2
TX_MON1: length 6.5
  TOP w0.14: U17.M5 66.8,34.49 67.14,34.49 67.46,34.82 67.78,34.82 70.22,37.26 C6.2
TX_MON2: length 2.8
  TOP w0.14: C7.2 68.51,24.49 67.24,24.49 66.43,25.29 U17.A5
TX_VCO_1P1V_SUPPLY: length 2.2
  TOP w0.14: U17.B11 v6(61.2,25.69) U17.A11
  BOTTOM w0.14: C104.2 61.08,25.81 v6(61.2,25.69) 61.2,25.45 61.52,25.13 R123.1
UNNAMED_2_CAP_I87_N1: length 1.9
  BOTTOM w0.14: C242.1 23.93,12.3 24.44,11.79 24.44,11.09 U10.41
UNNAMED_2_CAP_I87_N2: length 1.7
  BOTTOM w0.14: C242.2 22.39,12.42 U10.37
UNNAMED_2_CAP_I88_N1: length 23.8
  TOP w0.14: Y2.3 35.78,13.66 v1(36.63,12.81)
  L3_SIG w0.095: v1(20.63,11.79) 21.05,12.21 22.4,12.21 22.62,12.43 24.18,12.43 24.4,12.21 27.57,12.21 27.87,11.92 29.9,11.92 30.53,11.28 34.34,11.28 35.87,12.81 v1(36.63,12.81)
  BOTTOM w0.14: U10.34 20.89,11.53 v1(20.63,11.79) 19.32,13.1 C60.1
UNNAMED_2_CAP_I90_N1: length 22.5
  TOP w0.14: Y2.1 31.2,11.96 v1(30.36,12.81) ; v1(13.77,10.78) 13.13,10.78 12.84,11.07 C59.1
  L15_SIG w0.095: v1(19.99,11.79) 19.23,12.55 17.71,12.55 17.28,12.13 17.28,11.78 16.92,11.41 15.55,11.41 14.91,10.78 v1(13.77,10.78)
  L18_SIG w0.095: v1(30.36,12.81) 29.72,12.17 24.44,12.17 24.31,12.3 20.5,12.3 v1(19.99,11.79)
  BOTTOM w0.14: U10.33 20.39,11.39 v1(19.99,11.79)
UNNAMED_2_DIO6PV8_I47_REF1: length 2.1
  BOTTOM w0.14: v1(15.55,54.46) 15.55,54.72 15.27,54.99 15.01,54.99 14.9,55.1 R178.2
UNNAMED_2_IC88E151X_I86_CONFIG: length 2.3
  BOTTOM w0.14: U10.15 17.12,3.84 16.05,2.78 R12.2
UNNAMED_2_IC88E151X_I86_RSET: length 3.5